# Altium PCB BalloonMBv1.PcbDoc (part 2 of 2)
Units mm, origin at the board's own origin, x right, y up, seen from the top; angles counter-clockwise.
Board outline 92.46 x 92.46 mm, 2 copper layers (Top Layer, Bottom Layer); 155 components, 138 nets, 578 pads, 218 vias.
Unrouted connection lines stored in the file: 3.
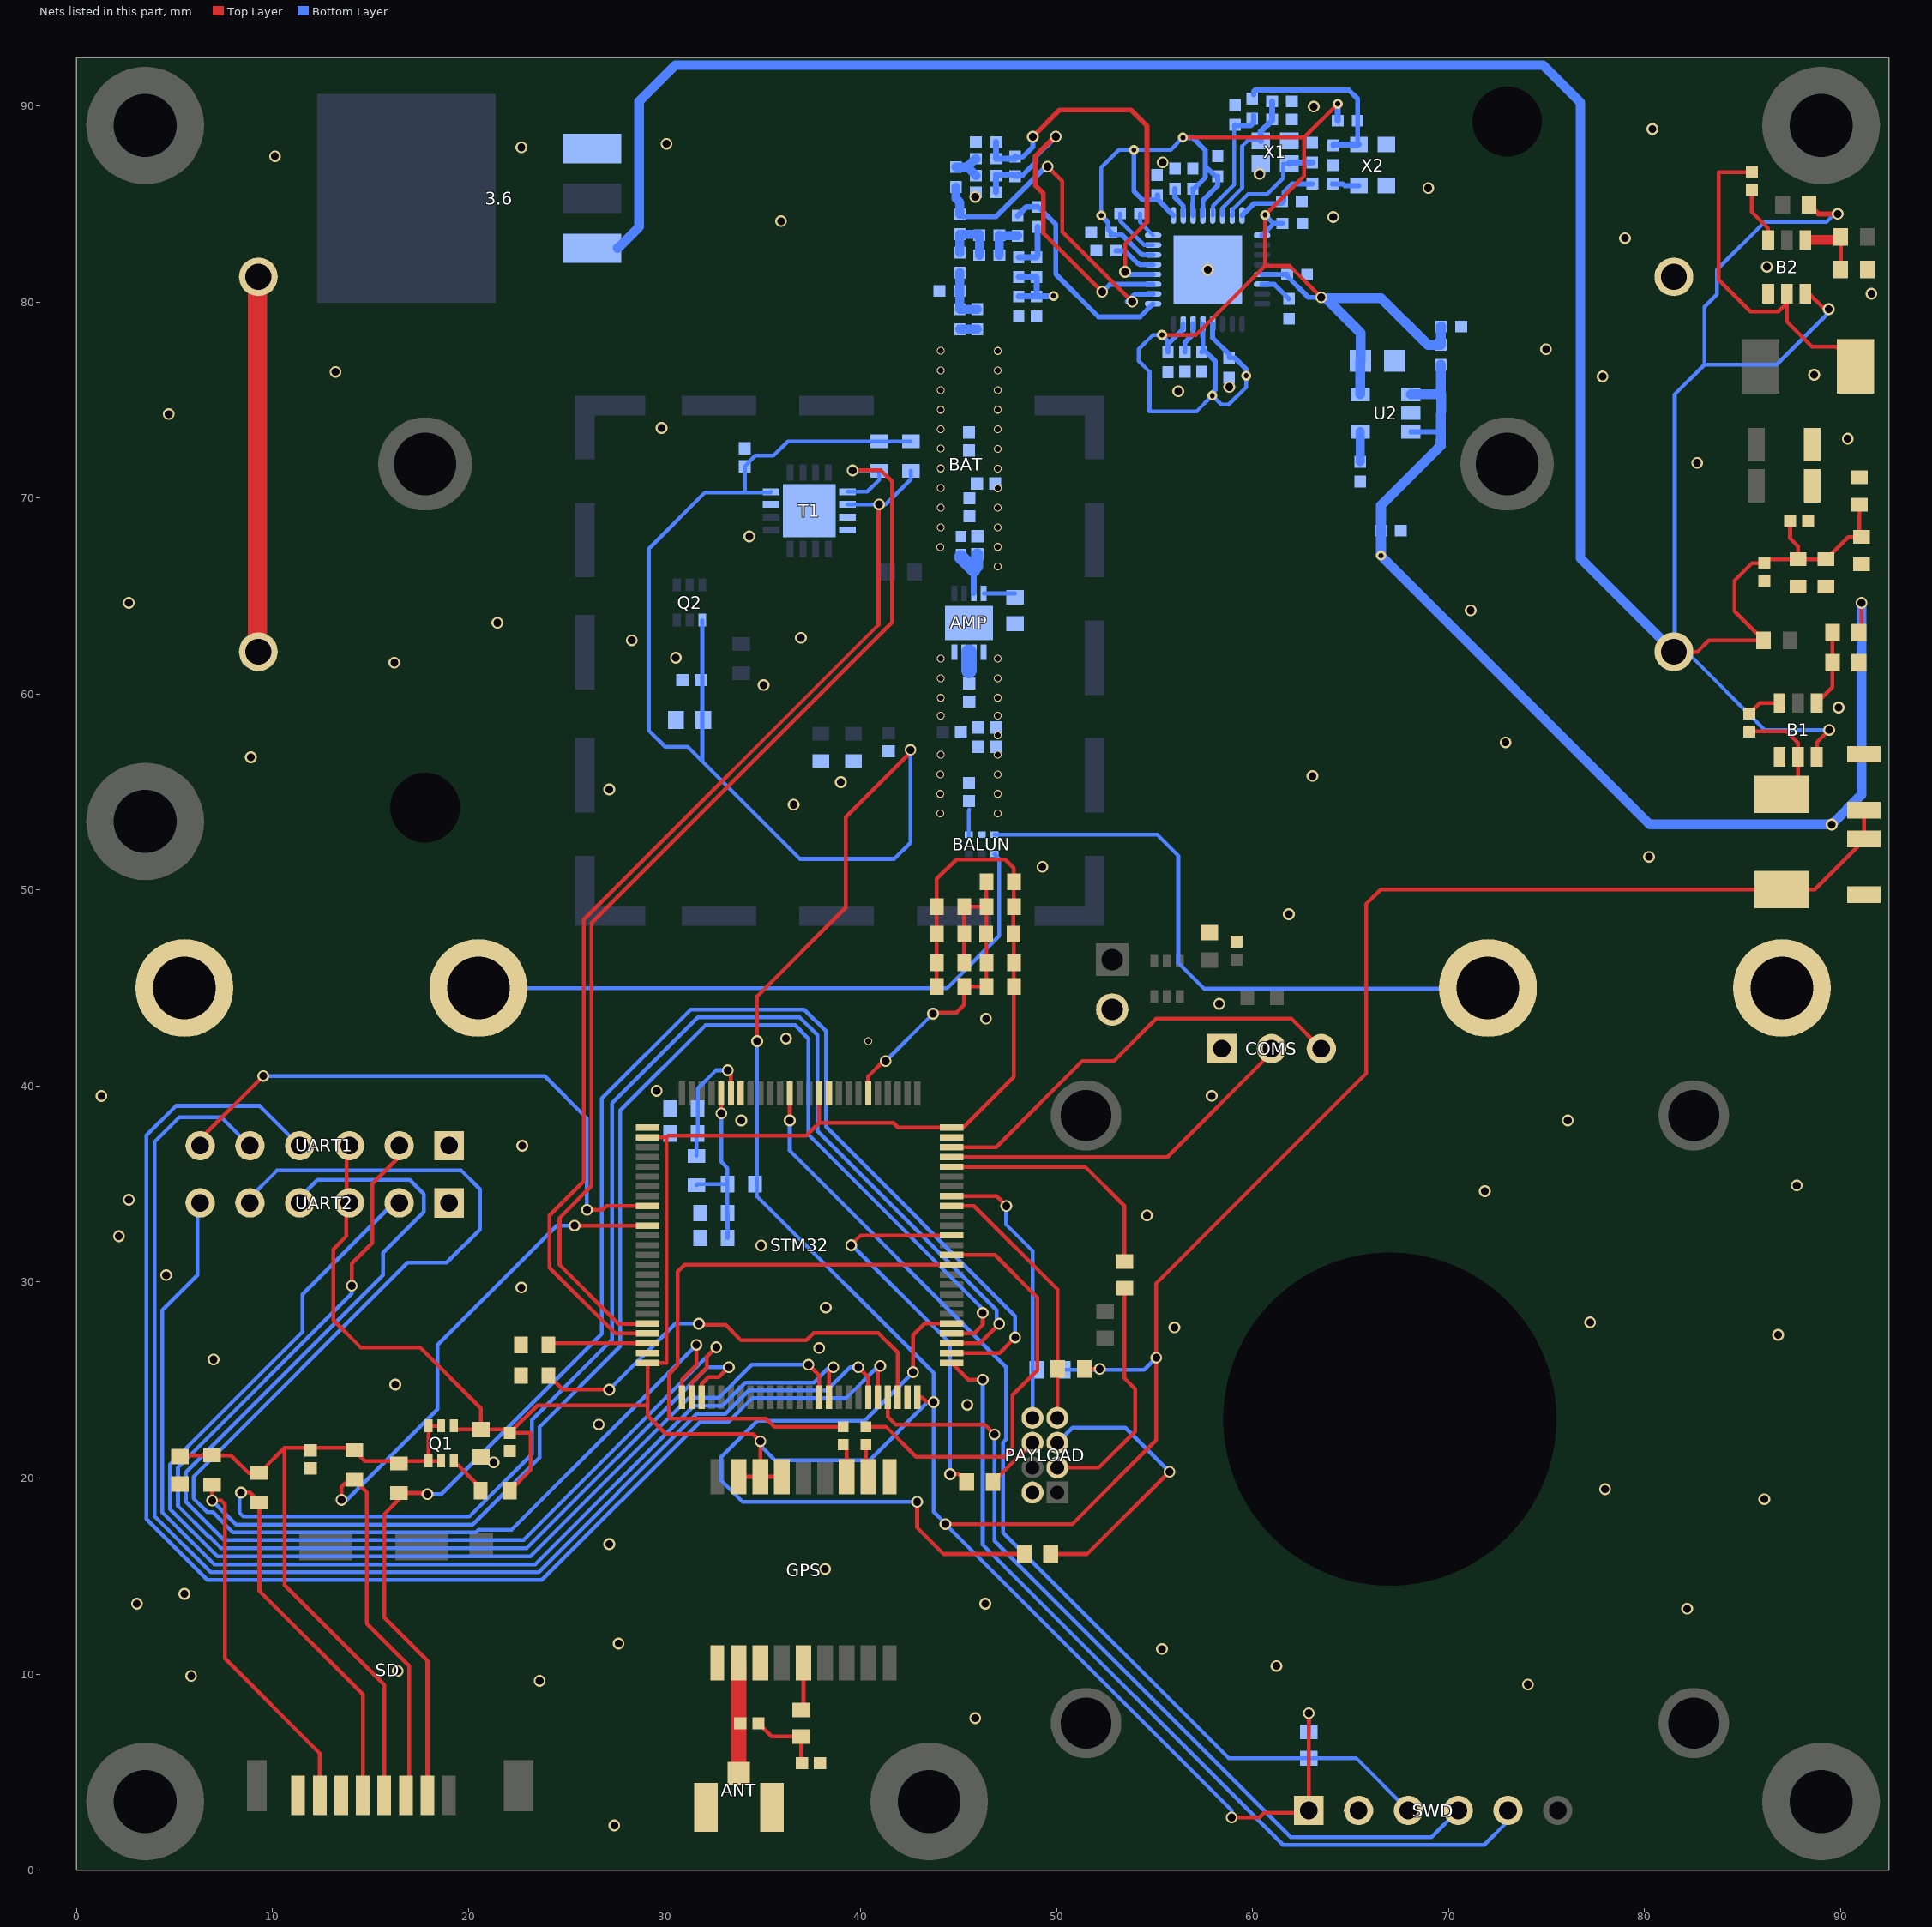
[diagram p2: the nets of this part, all layers, seen from the top]

## Via types
v1: diameter 0.6, hole 0.4, Top Layer to Bottom Layer, 157 vias
v2: diameter 0.4, hole 0.3, Top Layer to Bottom Layer, 44 vias
v3: diameter 0.508, hole 0.254, Top Layer to Bottom Layer, 17 vias

## Nets (pads, with @x,y where several pads share a name; then routed paths per layer and width w, separated by ;. In a path a pad name is that pad's centre, name@x,y a point inside that pad or via, vN(x,y) a via of type N, cw(c..) or ccw(c..) an arc to the next point about the centre after c; other vN are vias at no path point) (continued)
GND: 3.6.1 AMP.1 AMP.4 AMP.9 ANT.1 ANT.2 B1.1 B2.1 BALUN.2 BAT.4 C4.2 C5.2 C6.1 C7.2 C8.2 C10.2 C11.2 C11_1.1 C12.1 C12_1.2 C13.2 C14.2 C15.2 C16.1 C17.1 C18.1 C19.2@37.925,5.461 C20.2 C23.1 C24.1 C25.1 C27.1@37.973,56.577 C27.2@39.624,56.577 C28.1 C29.1 C39.2 C40.2 C41.2 C42.2 C43.2 C44.1 C45.1 C46.2 C47.2 C48.2 C51.1 C52.2 C53.2 C61.2 C121.1 C131.1 C151.1 C171.2 C172.2 C175.2 C201.2 C211.2 C221.2 C251.1 C261.1 C271.1 C281.1 C291.1 C301.1 C302.1 C311.1 C321.1 COMS.1 COMS_PWR.1 GPS.1 GPS.10 GPS.12 L192.1 pad.33 PAYLOAD.2 R2.2 R6.2 R12_1.1 R18.1 R141.2 SD.6 STM32.10 STM32.19 STM32.26 STM32.49 STM32.74 STM32.99 SWD.2 T1.3 T1.4 T1.11 T1.17 U2.2 UART1.1 UART2.1 X1.2 X1.4 X2.1 X2.2
  other v1: 27.432,2.286 45.847,7.747 74.041,9.471 23.622,9.652 5.842,9.906 16.379,10.16 61.214,10.414 55.372,11.278 27.65,11.557 82.169,13.335 3.076,13.589 46.355,13.589 5.5,14.097 38.186,15.367 27.178,16.637 86.106,18.923 77.978,19.431 21.274,20.802 26.641,22.73 45.436,23.735 16.256,24.765 6.985,26.051 37.886,26.636 86.809,27.305 56.007,27.686 77.216,27.94 38.221,28.702 22.691,29.718 4.572,30.353 34.925,31.869 2.159,32.337 54.61,33.401 2.667,34.195 71.839,34.632 87.757,34.925 22.733,36.957 33.909,38.24 76.073,38.24 1.27,39.487 57.912,39.497 29.591,39.751 36.195,42.418 46.395,43.434 58.293,44.196 61.849,48.768 49.276,51.181 80.221,51.689 36.579,54.356 27.178,55.127 38.989,55.499 63.052,55.815 8.89,56.769 72.898,57.531 89.885,59.309 35.052,60.452 16.212,61.595 30.574,61.849 28.321,62.738 36.957,62.865 21.463,63.627 71.12,64.262 2.667,64.643 34.322,68.037 82.677,71.79 90.354,73.025 29.845,73.567 4.699,74.278 56.203,75.438 58.801,75.659 77.851,76.2 88.646,76.286 13.208,76.429 74.966,77.584 91.567,80.413 57.71,81.643 86.233,81.788 78.994,83.255 35.941,84.119 64.111,84.328 45.847,85.359 68.961,85.808 60.352,86.527 55.41,87.122 10.12,87.434 22.691,87.884 30.099,88.066 80.391,88.813 63.119,89.959
  other v2: 40.388,42.291 44.069,53.9 46.99,53.9 44.069,54.9 46.99,54.9 44.069,55.9 46.99,55.9 44.079,56.9 46.99,56.9 46.99,57.9 44.079,58.9 46.99,58.9 44.079,59.8 46.99,59.8 44.079,60.8 46.99,60.8 44.079,61.8 46.99,61.8 47,66.5 44.069,67.486 47,67.5 44.079,68.5 47,68.5 44.079,69.502 47,69.5 44.079,70.503 47,70.5 44.079,71.505 47,71.5 47,72.5 44.079,72.517 44.079,73.5 47,73.5 44.079,74.5 47,74.5 44.079,75.496 47,75.5 44.079,76.5 47,76.5 44.079,77.502 47,77.5
GPIO_CAM1: PAYLOAD.6 R28.2 | length 2.8
  Top Layer w0.2: R28.2@46.755,19.791 48.765,21.801 PAYLOAD.6@48.768,21.801
GPIO_CAM1_PIN: R28.1 STM32.89 | length 20.2
  Top Layer w0.2: v1(39.518,31.88) 39.518,31.902 39.996,32.38 STM32.89@44.636,32.38 ; v1(44.563,20.2) 44.996,20.2 R28.1@45.405,19.791
  Bottom Layer w0.2: v1@39.566,32.007 39.566,31.871 44.563,26.873 v1(44.563,20.2)
GPIO_CAM2: PAYLOAD.5 R29.1 | length 14.8
  Top Layer w0.2: R29.1@49.697,16.129 51.562,16.129 v1(55.753,20.32)
  Bottom Layer w0.2: PAYLOAD.5@50.038,21.801 50.814,22.577 53.496,22.577 v1(55.753,20.32)
GPIO_CAM2_PIN: R29.2 STM32.80 | length 34.7
  Top Layer w0.2: v1(42.672,25.4) 42.672,27.292 43.26,27.88 STM32.80@44.636,27.88 ; v1(42.88,18.787) 42.88,17.469 44.219,16.129 R29.2@48.347,16.129
  Bottom Layer w0.2: v1(42.672,25.4) 40.195,22.923 34.741,22.923 32.92,21.103 32.893,21.103 32.893,19.871 33.977,18.787 v1(42.88,18.787)
ICQ_ADj: AMP.8 R18.2 | length 1.6
  Bottom Layer w0.2: AMP.8@46.277,65.127 R18.2@47.879,65.127
LST_RX_MODE: COMS.2 STM32.97 | length 18.7
  Top Layer w0.2: STM32.97@44.636,36.38 55.644,36.38 60.961,41.698 COMS.2@60.961,41.91
LST_TX_MODE: COMS.3 STM32.98 | length 22.2
  Top Layer w0.2: STM32.98@44.636,36.88 46.91,36.88 51.305,41.275 52.921,41.275 55.08,43.434 61.977,43.434 COMS.3@63.501,41.91
MID_BAT: BAT.1 BAT.2 | length 19.1
  Top Layer w1: BAT.2@9.231,62.175 BAT.1@9.231,81.305
MSL2: C19.1@45.527,72.421 C48.1 L5.2
MSL2.5: C21.2 L5.1 R17.2
MSL3: 
MSL4: 
MSL5: C22.2 C23.2 C24.2 L6.1 L7.1
MSL6: 
NewNet1: C175.1 C177.1 L173.1 L174.2 | length 2.8
  Bottom Layer w0.457: C175.1@45.04,80.555 C175.1@45.065,80.555 ; L174.2@45.065,79.615 L174.2@45.065,79.62 ; L173.1@45.065,81.495 C175.1@45.065,80.555 ; C177.1@45.952,79.62 L174.2@45.065,79.62 ; L174.2@45.065,79.62 C175.1@45.065,80.555
NewNet2: C191.2 L191.1 L192.2 pad.19 | length 17.6
  Top Layer w0.2: 49.324,83.518 v1(52.324,80.518)
  Top Layer w0.254: 49.324,83.518 49.324,85.536 48.915,85.944 48.915,87.444 49.324,87.852 v1@49.93,88.459
  Bottom Layer w0.254: L191.1@47.885,86.404 47.885,86.397 47.986,86.397 L191.1@48.037,86.448 ; 48.244,86.448 48.915,87.119 48.915,87.394 v1(49.956,88.434) ; v1(52.324,80.518) 52.338,80.518 52.721,80.901 54.429,80.901 pad.19@54.911,80.897
  Bottom Layer w0.305: L192.2@46.9,85.591 C191.2@46.9,86.448 46.907,86.499 L191.1@48.037,86.499 ; L191.1@48.037,86.448 48.244,86.448
NewNet3: C174.1 C176.1 L172.2 | length 2
  Bottom Layer w0.457: C176.1@47.072,82.384 L172.2@47.072,83.375 ; L172.2@47.072,83.4 L172.2@47.072,83.375 ; C174.1@48.012,83.375 L172.2@47.072,83.375
NewNet4: C176.2 C181.2 L172.1 L173.2 | length 3
  Bottom Layer w0.457: L173.2@45.065,82.511 C181.2@45.065,83.451 46.056,83.451 L172.1@46.056,83.4 C176.2@46.056,82.384
NewNet5: 
NewNet6: C311.2 pad.31 X1.1 | length 5.8
  Bottom Layer w0.203: pad.31@58.968,84.665 58.968,84.704 59.768,85.503 60.733,85.503 61.546,86.316 61.546,87.062 X1.1@61.864,87.062
  Bottom Layer w0.254: pad.31@58.953,84.407 pad.31@58.968,84.665
  Bottom Layer w0.305: X1.1@61.864,87.062 61.864,87.104 C311.2@63.044,87.104
NewNet7: 
NewNet8: 
NewNet9: C19.2@45.527,73.341 C177.2 L174.1 | length 0.9
  Bottom Layer w0.457: L174.1@45.068,78.602 45.065,78.604 C177.2@45.952,78.604
NewNet10: C41.1 U2.4 | length 1.5
  Bottom Layer w0.457: C41.1@65.483,71.843 U2.4@65.483,73.375
NewNet11: 
NewNet12: C181.1 L193.1 pad.18 | length 17.3
  Top Layer w0.2: v1(49.542,86.905) 50.287,86.16 50.287,83.571 v1(53.848,80.01)
  Bottom Layer w0.254: C181.1@45.065,84.518 45.243,84.34 46.894,84.34 v1@49.41,86.856 ; v1(53.848,80.01) 53.6,80.01 53.988,80.398 pad.18@54.911,80.398
  Bottom Layer w0.457: L193.1@44.862,85.864 44.862,85.28 45.065,85.076 45.065,84.518 C181.1@45.065,84.467
NewNet13: C261.2 pad.26 | length 1.6
  Bottom Layer w0.254: C261.2@56.034,85.783 56.034,85.326 56.458,84.902 pad.26@56.453,84.407
NewNet14: C322.1 X2.3 | length 1.4
  Bottom Layer w0.254: C322.1@64.068,86.022 64.609,86.022 64.704,85.927 X2.3@65.418,85.927
NewNet15: C322.2 pad.32 R12_1.2 | length 4.6
  Bottom Layer w0.254: pad.32@59.453,84.407 60.067,85.021 61.49,85.021 R12_1.2@61.49,85.072 ; R12_1.2@61.49,85.125 R12_1.2@61.49,85.072 ; C322.2@63.052,86.022 62.013,86.022 61.596,85.605 61.596,85.178 R12_1.2@61.49,85.072
NewNet16: C321.2 R321.1 R322.1 X2.4 | length 9.4
  Bottom Layer w0.254: R321.1@60.047,90.558 60.047,90.743 60.109,90.805 64.908,90.805 65.356,90.358 R322.1@65.356,89.237 X2.4@65.356,88.027
  Bottom Layer w0.305: C321.2@64.111,87.993 64.111,88.027 65.356,88.027 X2.4@65.418,88.027
NewNet17: C174.2 L171.1 pad.17 | length 11.2
  Bottom Layer w0.254: L171.1@49.028,84.848 49.071,84.848 49.955,83.964 49.955,81.418 52.133,79.239 54.254,79.239 pad.17@54.917,79.902
  Bottom Layer w0.3: C174.2@48.012,84.391 48.469,84.848 L171.1@49.028,84.848
NewNet18: C173.1 L171.2 R171.1 | length 2.5
  Bottom Layer w0.305: C173.1@48.063,82.282 R171.1@48.952,82.282 ; R171.1@48.977,82.282 R171.1@48.952,82.282 ; L171.2@49.028,83.832 49.028,82.359 R171.1@48.952,82.282
NewNet19: C301.2 C302.2 pad.30 X1.3 | length 7.3
  Bottom Layer w0.203: pad.30@58.453,84.407 58.458,84.437 58.458,84.804 59.463,85.808 59.463,87.942 59.793,88.272 X1.3@60.403,88.272
  Bottom Layer w0.305: X1.3@60.414,88.212 60.403,88.224 60.403,88.272 60.403,88.678 60.987,89.263 C301.2@60.987,89.313 C302.2@60.987,90.228
NewNet20: C291.2 pad.29 R321.2 | length 6.6
  Bottom Layer w0.203: pad.29@57.953,84.407 57.959,84.462 57.959,84.889 59.056,85.986 C291.2@59.056,88.983
  Bottom Layer w0.254: C291.2@59.107,89.034 59.056,88.983 59.895,88.983 60.047,89.136 R321.2@60.047,89.542
NewNet21: 
NewNet22: C171.1 C172.1 C173.2 R171.2 | length 3.7
  Bottom Layer w0.305: C171.1@48.063,80.276 C172.1@48.977,80.276 ; C173.2@48.063,81.266 R171.2@48.977,81.266 C172.1@48.977,80.276 ; v3(49.841,80.301) 49.815,80.276 C172.1@48.977,80.276
NewNet23: C191.1 L193.2 L201.1 | length 1.8
  Bottom Layer w0.457: L193.2@44.862,86.88 45.404,86.88 45.432,86.907 ; C191.1@45.884,86.448 45.432,86.907 ; L201.1@45.884,87.305 45.432,86.907
NewNet24: C201.1 L191.2 L201.2 pad.20 | length 19.7
  Top Layer w0.2: v1(53.493,81.531) 53.493,82.967 54.61,84.084
  Top Layer w0.254: v1(48.785,88.427) 50.147,89.789 53.799,89.789 54.61,88.978 54.61,84.084
  Bottom Layer w0.254: L191.2@47.885,87.388 48.266,87.388 48.785,87.907 v1(48.785,88.427) ; v1(53.493,81.531) 53.623,81.401 54.268,81.401 pad.20@54.911,81.397
  Bottom Layer w0.305: C201.1@46.9,88.156 L201.2@46.9,87.305 47.885,87.312 47.885,87.388 L191.2@47.885,87.42
NewNet25: pad.14 R141.1 | length 1.6
  Bottom Layer w0.254: R141.1@56.542,77.445 56.542,77.934 56.958,78.35 pad.14@56.953,78.87
NewNet26: C231.1 pad.23 | length 2.6
  Bottom Layer w0.203: C231.1@53.24,84.513 53.24,84.119 54.457,82.901 54.705,82.901 pad.23@54.911,82.897
NewNet27: C231.2 pad.24 | length 1.4
  Bottom Layer w0.203: C231.2@54.256,84.513 54.256,84.053 pad.24@54.911,83.397
NewNet28: C61.1 pad.6 | length 1.7
  Bottom Layer w0.254: pad.6@60.474,80.897 61.103,80.901 C61.1@61.85,80.154
NewNet29: C211.1 pad.21 | length 2.2
  Bottom Layer w0.254: C211.1@53.037,82.608 53.493,82.608 54.128,81.973 54.18,81.973 54.26,81.892 pad.21@54.911,81.897
NewNet30: 
NewNet31: 
NewNet32: 
NewNet33: 
NewNet34: 
NewNet35: 
NewNet36: 
NRST: R23.1 STM32.14 SWD.3 | length 53.6
  Top Layer w0.2: v1(36.386,38.24) STM32.14@36.386,39.63
  Bottom Layer w0.2: v1(36.386,38.24) 36.386,36.698 47.428,25.656 47.428,21.976 47.267,21.816 47.267,17.215 58.767,5.715 65.278,5.715 SWD.3@67.945,3.048
R_BIAS_GPS: C19.1@37.005,5.461 L3.2 R14.1 | length 3.6
  Top Layer w0.2: L3.2@34.956,7.318 35.457,6.818 R14.1@36.957,6.818 36.957,5.509 C19.1@37.005,5.461
RESET_GPS: 
RF_IN_AMP: AMP.7 C21.1 R17.1 | length 3.2
  Bottom Layer w0.2: R17.1@45.114,66.985 R17.1@45.114,67.137 ; 45.773,66.167 45.773,66.326 ; C21.1@45.942,67.137 C21.1@45.952,67.127
  Bottom Layer w0.3: AMP.7@45.773,65.139 45.773,66.167
  Bottom Layer w0.6: 45.773,66.326 45.952,66.505 C21.1@45.952,67.127
  Bottom Layer w0.7: R17.1@45.114,66.985 45.773,66.326
RF_IN_GPS: ANT.3 GPS.11 L3.1 | length 5.8
  Top Layer w0.2: ANT.3@33.786,5.155 ANT.3@34.036,4.905
  Top Layer w0.8: ANT.3@33.786,5.155 GPS.11@33.786,10.566
RF_OUT_AMP: AMP.2 AMP.3 L6.2 | length 0.9
  Bottom Layer w0.8: 45.525,61.197 45.525,62.122
RX_GPS: FB1.1 GPS.3 | length 1.7
  Top Layer w0.2: FB1.1@39.116,21.706 39.286,21.536 GPS.3@39.286,20.066
SAFEBOOT_GPS: 
SCL_CAM: PAYLOAD.7 R25.2 STM32.92 | length 13.7
  Top Layer w0.2: STM32.92@44.636,33.88 45.785,33.88 50.038,29.627 PAYLOAD.7@50.038,23.071
SCL_GPS: 
SCL_TEMP: R15.1 STM32.46 T1.1 | length 58.7
  Top Layer w0.2: STM32.46@29.136,27.88 29.128,27.872 27.65,27.872 24.638,30.884 24.638,33.274 26.27,34.906 26.27,48.323 41.596,63.65 41.596,70.851 41.04,71.407 v1(39.587,71.407)
  Bottom Layer w0.2: T1.1@39.329,70.32 40.336,70.32 40.94,70.925 R15.1@40.94,71.388 39.605,71.388 v1(39.587,71.407)
SD_CLK: R11.1 SD.5 STM32.78 | length 89.4
  Top Layer w0.2: v1(8.382,19.261) 8.831,19.261 R11.1@9.328,18.764 9.328,14.239 14.602,8.965 SD.5@14.602,3.81 ; STM32.78@44.636,26.88 46.08,26.88 v1(47.072,27.872)
  Bottom Layer w0.2: v1(8.382,19.261) 8.301,19.18 8.301,18.242 8.509,18.034 20.041,18.034 23.222,21.215 23.222,22.968 27.318,27.064 27.318,39.129 31.693,43.504 36.887,43.504 37.788,42.603 37.788,37.716 46.931,28.573 46.931,27.872 v1(47.072,27.872)
SD_CS: R20.1 SD.2 STM32.77 | length 79.4
  Top Layer w0.2: SD.2@17.902,3.81 17.902,10.664 17.907,10.669 15.702,12.874 15.702,18.161 16.452,18.911 R20.1@16.452,19.237 17.842,19.237 v1(17.902,19.177) ; STM32.77@44.636,26.38 47.087,26.38 v1(47.885,27.178)
  Bottom Layer w0.2: v1(17.902,19.177) 18.61,19.177 26.797,27.364 26.797,39.37 31.331,43.904 37.122,43.904 38.227,42.799 38.227,37.921 47.885,28.263 v1(47.885,27.178)
SD_DAT1: R13.1 SD.7 STM32.79 | length 88.2
  Top Layer w0.2: R13.1@6.915,19.653 v1(6.915,18.855) 7.379,18.855 7.565,18.669 7.565,10.795 12.402,5.958 SD.7@12.402,3.81 ; STM32.79@44.636,27.38 45.793,27.38 46.228,27.815 v1(46.228,28.427)
  Bottom Layer w0.2: v1(6.915,18.855) 8.136,17.634 20.207,17.634 23.622,21.049 23.622,22.606 27.741,26.725 27.741,38.75 32.096,43.104 36.652,43.104 37.338,42.418 37.338,37.523 46.228,28.633 v1(46.228,28.427)
SD_DAT2: SD.8
SD_DO: R12.1 SD.3 STM32.36 | length 42.3
  Top Layer w0.2: v1(13.512,18.886) 13.512,19.545 13.882,19.915 R12.1@14.162,19.915 14.812,19.265 14.812,12.575 16.979,10.409 16.979,3.987 SD.3@16.802,3.81 ; v1(25.4,32.88) STM32.36@29.136,32.88
  Bottom Layer w0.2: v1(13.512,18.886) 13.65,18.748 18.415,23.512 18.415,26.797 24.498,32.88 v1(25.4,32.88)
SD_EN: Q1.3 R10.1 | length 2.1
  Top Layer w0.2: Q1.3@19.247,20.873 20.605,19.515 R10.1@20.605,19.361
SD_VDD: C15.1 C16.2 Q1.1 Q1.2 Q1.5 Q1.6 R11.2 R12.2 R13.2 R20.2 SD.4 | length 36.9
  Top Layer w0.2: C16.2@5.272,21.092 5.333,21.153 R13.2@6.915,21.153 7.874,21.153 8.763,20.264 R11.2@9.328,20.264 10.608,21.544 ; SD.4@15.702,3.81 15.702,9.444 10.608,14.538 10.608,21.544 ; Q1.2@18.599,20.873 Q1.1@17.951,20.873 ; Q1.5@18.599,22.663 Q1.6@17.951,22.663 Q1.1@17.951,20.873 ; 10.608,21.544 14.162,21.544 R12.2@14.162,21.415 14.704,20.873 Q1.1@17.951,20.873
SDA_CAM: PAYLOAD.8 R24.1 STM32.93 | length 14.4
  Top Layer w0.2: STM32.93@44.636,34.38 46.932,34.38 v1(47.432,33.88)
  Bottom Layer w0.2: v1(47.432,33.88) 47.432,32.93 48.768,31.594 PAYLOAD.8@48.768,23.071
SDA_GPS: 
SDA_TEMP: R16.1 STM32.47 T1.2 | length 56.5
  Top Layer w0.2: STM32.47@29.136,27.38 27.484,27.38 24.13,30.734 24.13,33.401 25.87,35.141 25.87,48.489 40.911,63.53 v1@40.911,69.658
  Bottom Layer w0.2: T1.2@39.329,69.67 41.282,69.67 42.57,70.959 R16.1@42.57,71.388
  other v1: 40.94,69.671
SSRX+: 
SSRX–: 
SSTX+: 
SSTX-: 
SW_B1: B1.2 C9.2 L4.1 | length 5.7
  Top Layer w0.2: C9.2@85.344,58.087 87.238,58.087 87.825,57.5 B1.2@87.825,56.791 87.825,55.707 L4.1@86.995,54.876
SW_B2: B2.2 C3.1 L1.2 | length 17.4
  Top Layer w0.2: C3.1@85.471,86.628 83.769,86.628 83.769,81.133 85.4,79.502 86.816,79.502 B2.2@87.249,79.935 ; B2.2@87.249,80.413 B2.2@87.249,79.935 ; L1.2@90.762,76.708 89.746,77.724 88.519,77.724 87.249,78.994 B2.2@87.249,79.935
SWCLK: STM32.76 SWD.5 | length 44.6
  Top Layer w0.2: STM32.76@44.636,25.88 45.497,25.019 v1(46.228,25.019)
  Bottom Layer w0.2: v1(46.228,25.019) 46.228,16.607 61.546,1.289 71.81,1.289 73.025,2.503 SWD.5@73.025,3.048
SWDIO: STM32.72 SWD.4 | length 42.7
  Top Layer w0.2: STM32.72@41.386,24.13 41.386,23.13 41.783,22.733 46.32,22.733 v1(46.828,22.225)
  Bottom Layer w0.2: v1(46.828,22.225) 46.828,16.803 61.942,1.689 69.126,1.689 SWD.4@70.485,3.048
TIMEPULSE_GPS: 
TRIGGER: PAYLOAD.3 R27.1 | length 12.3
  Top Layer w0.2: PAYLOAD.3@50.038,20.531 52.156,20.531 53.999,22.375 53.999,24.548 53.452,25.095 R27.1@53.452,29.697
TRIGGER_PIN: R27.2 STM32.96 | length 12.5
  Top Layer w0.2: STM32.96@44.636,35.88 51.454,35.88 53.452,33.882 R27.2@53.452,31.047
TX+: BALUN.3 pad.8@72,45 pad.8@87,45 | length 31.6
  Bottom Layer w0.2: BALUN.3@46.829,52.819 55.131,52.819 56.203,51.747 56.203,46.286 57.531,44.958 pad.8@72,44.958
TX-: BALUN.4 pad.8@5.5,45 pad.8@20.5,45 | length 32
  Bottom Layer w0.2: pad.8@20.5,45 44.41,45 47.072,47.662 47.072,51.587 BALUN.4@46.829,51.829 BALUN.4@46.871,51.871
TX_GPS: FB2.1 GPS.2 | length 1.7
  Top Layer w0.2: FB2.1@40.259,21.706 40.259,20.193 GPS.2@40.386,20.066
TX_U: BALUN.1 C22.1 | length 1.4
  Bottom Layer w0.2: BALUN.1@45.509,52.725 45.509,54.067 45.545,54.102
UART1_CTS: STM32.34 UART1.6 | length 30.1
  Top Layer w0.2: UART1.6@6.3,36.957 6.3,37.288 v1(9.525,40.513) ; v1(26.035,33.685) 26.827,33.685 27.022,33.88 STM32.34@29.136,33.88
  Bottom Layer w0.2: v1@9.587,40.513 23.876,40.513 26.035,38.354 v1(26.035,33.685)
UART1_RTS: STM32.53 UART1.2 | length 58.3
  Top Layer w0.2: v1(14.043,29.81) 14.043,30.945 15.095,31.997 15.095,35.015 16.318,36.238 UART1.2@16.318,37.084 ; STM32.53@31.886,24.13 31.886,24.8 32.232,25.146 32.766,25.146 v1(33.274,25.654)
  Bottom Layer w0.2: v1(14.043,29.81) 14.043,29.41 5.169,20.536 5.169,18.58 6.731,17.018 6.772,17.018 7.356,16.434 22.969,16.434 32.189,25.654 v1(33.274,25.654)
UART1_RX: STM32.70 UART1.5 | length 68
  Top Layer w0.2: v1(39.878,25.654) 40.386,25.146 STM32.70@40.386,24.13
  Bottom Layer w0.2: UART1.5@8.698,37.084 7.365,38.417 5.255,38.417 3.969,37.131 3.969,18.071 6.838,15.202 23.571,15.202 31.635,23.266 33.09,23.266 34.3,24.475 38.278,24.475 39.457,25.654 v1(39.878,25.654)
UART1_TX: STM32.71 UART1.4 | length 73.5
  Top Layer w0.2: STM32.71@40.886,24.13 40.886,25.608 v1(41,25.722)
  Bottom Layer w0.2: UART1.4@11.238,37.084 9.333,38.989 5.065,38.989 3.569,37.493 3.569,17.906 6.673,14.802 23.737,14.802 31.795,22.86 33.25,22.86 34.462,24.071 39.252,24.071 40.903,25.722 v1(41,25.722)
UART2_CTS: STM32.66 UART2.6 | length 57.8
  Top Layer w0.2: STM32.66@38.386,24.13 38.386,25.432 v1(38.608,25.654)
  Bottom Layer w0.2: UART2.6@6.158,34.163 6.158,30.353 4.369,28.564 4.369,18.249 5.969,16.649 5.969,16.637 5.981,16.637 7.016,15.602 23.406,15.602 31.496,23.692 32.932,23.692 34.115,24.875 37.614,24.875 38.392,25.654 v1(38.608,25.654)
UART2_RTS: STM32.65 UART2.2 | length 60
  Top Layer w0.2: v1(37.338,25.781) 37.886,25.233 STM32.65@37.886,24.13
  Bottom Layer w0.2: UART2.2@16.318,34.163 11.528,29.374 11.528,27.461 4.769,20.702 4.769,18.414 7.181,16.002 23.151,16.002 31.241,24.092 32.766,24.092 34.455,25.781 v1(37.338,25.781)
UART2_RX: STM32.51 UART2.5 | length 69.2
  Top Layer w0.2: STM32.51@30.886,24.13 30.886,25.023 31.623,25.76 v1(31.623,26.797)
  Bottom Layer w0.2: UART2.5@8.698,34.163 10.222,35.687 19.627,35.687 20.574,34.74 20.574,32.685 18.877,30.988 16.891,30.988 5.969,20.066 5.969,18.953 6.666,18.255 6.949,18.255 7.971,17.234 20.372,17.234 20.503,17.365 22.191,17.365 27.905,23.079 v1(31.623,26.797)
UART2_TX: STM32.52 UART2.4 | length 63
  Top Layer w0.2: STM32.52@31.386,24.13 31.386,24.866 32.158,25.638 32.158,26.189 v1(32.639,26.67)
  Bottom Layer w0.2: UART2.4@11.238,34.163 12.288,35.213 16.988,35.213 17.707,34.494 17.707,33.566 15.631,31.49 15.631,30.362 5.569,20.301 5.569,18.787 7.522,16.834 22.803,16.834 v1(32.639,26.67) v1@32.639,26.667
USART1_RX: FB1.2 STM32.86 | length 30.8
  Top Layer w0.2: FB1.2@39.116,22.606 35.611,22.606 35.178,23.039 30.301,23.039 30.223,23.117 30.223,25.311 30.667,25.755 30.667,30.529 31.018,30.88 STM32.86@44.636,30.88
USART1_TX: FB2.2 STM32.87 | length 21.8
  Top Layer w0.2: FB2.2@40.259,22.606 41.304,22.606 42.818,21.092 47.338,21.092 47.752,21.506 47.752,24.236 49.022,25.506 49.022,29.21 46.852,31.38 STM32.87@44.636,31.38
V_BCKUP_GPS: 
VBAT: C30.1 C31.1 C32.1 C33.1 C34.2 C35.2 C36.2 C37.2 C38.1 STM32.6 | length 18.7
  Top Layer w0.2: STM32.6@40.386,39.63 40.386,40.497 41.164,41.275 v1(41.275,41.275) ; v1(43.688,43.688) 43.74,43.74 44.883,43.74 45.277,44.134 C37.2@45.277,45.085 C30.1@46.417,45.085 C31.1@46.417,46.287 46.417,47.73 C32.1@46.395,47.752 46.417,47.774 C33.1@46.417,49.149 ; C36.2@45.277,46.287 C35.2@45.277,47.752 C34.2@45.277,49.149 C33.1@46.417,49.149 ; C38.1@46.417,50.419 C33.1@46.417,49.149
  Bottom Layer w0.2: v1(41.275,41.275) v1(43.688,43.688)
VBST_B1: B1.6 C9.1 | length 1.8
  Top Layer w0.2: C9.1@85.344,59.007 85.878,59.541 B1.6@86.875,59.541
VBST_B2: B2.6 C3.2 | length 2.9
  Top Layer w0.2: C3.2@85.471,85.707 85.471,84.58 86.299,83.752 B2.6@86.299,83.163
VBUS_USB: 
VCAP1: C28.2 STM32.48 | length 5.2
  Top Layer w0.2: C28.2@23.994,26.797 24.077,26.88 STM32.48@29.136,26.88
VCAP2: C29.2 STM32.73 | length 22.5
  Top Layer w0.2: C29.2@24.13,25.183 24.802,24.511 v1(27.178,24.511) ; v1@31.818,27.813 33.11,27.813 33.892,27.03 37.231,27.03 37.597,27.397 40.908,27.397 41.886,26.419 STM32.73@41.886,24.13
  Bottom Layer w0.2: v1(27.178,24.511) 30.547,27.88 v1(31.75,27.88)
VCC: C12_1.1 C13.1 C14.1 C17.2 C18.2 C20.1 C30.2 C31.2 C32.2 C33.2 C34.1 C35.1 C36.1 C37.1 C38.2 C44.2 C45.2 GPS.6 GPS.7 GPS.8 L1_1.1 L4.2 L8.1 Q1.4 Q2.4 R5.2 R10.2 R15.2 R16.2 R23.2 R24.2 R25.1 STM32.11 STM32.27 STM32.50 STM32.75 STM32.100 SWD.1 T1.12 U2.1 U2.3 UART1.3 UART2.3 | length 381.3
  Top Layer w0.2: UART1.3@13.778,37.084 13.778,34.163 13.761,34.146 13.761,32.337 13.1,31.676 13.1,28.057 14.488,26.67 17.513,26.67 20.631,23.552 C18.2@20.631,22.474 ; Q1.4@19.247,22.663 19.436,22.474 C18.2@20.631,22.474 ; R10.2@22.105,19.361 23.16,20.416 23.16,22.304 C17.2@22.098,22.304 ; STM32.27@29.136,37.38 30.099,37.38 ; GPS.8@33.786,20.066 GPS.7@34.886,20.066 ; v1(34.72,42.291) 34.72,44.575 39.243,49.098 39.243,53.721 42.545,57.023 v1(42.545,57.15) ; GPS.6@35.986,20.066 GPS.7@34.886,20.066 ; STM32.11@37.886,39.63 37.886,38.128 ; STM32.75@42.886,24.13 43.119,24.13 43.373,23.876 v1(43.719,23.876) ; C37.1@43.877,45.085 C36.1@43.877,46.287 C35.1@43.877,47.752 C34.1@43.877,49.149 43.883,49.155 43.883,50.563 44.882,51.562 47.371,51.562 47.817,51.116 C38.2@47.817,50.419 C33.2@47.817,49.149 47.795,49.127 C32.2@47.795,47.752 47.817,47.73 C31.2@47.817,46.287 C30.2@47.817,45.085 47.817,40.47 45.227,37.88 STM32.100@44.636,37.88 41.914,37.88 41.666,38.128 37.886,38.128 ; v1(44.323,17.653) 50.8,17.653 55.08,21.933 v1(55.08,26.141) 55.08,29.934 65.786,40.64 65.786,49.276 66.536,50.026 L4.2@86.995,50.026 88.674,50.026 C14.1@91.254,52.606 ; R25.1@51.409,25.565 v1(52.197,25.565) ; v1(58.928,2.689) 60.346,2.689 60.578,2.921 SWD.1@62.294,2.921 ; SWD.1@62.865,3.048 v1(62.865,8.001) v1@62.865,8.128 ; v1(89.535,53.34) v1@89.537,53.339 ; R5.2@90.929,63.119 91.059,63.249 v1(91.059,64.643) ; C14.1@91.186,52.603 C13.1@91.186,54.074 ; C18.2@20.631,22.474 21.928,22.474 C17.2@22.098,22.304 ; C17.2@22.098,22.304 23.511,23.717 29.136,23.717 ; 29.136,23.717 29.136,23.188 30.078,22.246 34.515,22.246 v1(34.886,21.874) GPS.7@34.886,20.066 ; 29.136,23.717 STM32.50@29.136,25.88 30.099,25.88 30.099,37.38 ; 30.099,37.38 30.184,37.465 37.223,37.465 37.886,38.128
  Bottom Layer w0.2: Q2.4@31.922,63.769 31.922,56.565 ; v1(34.72,42.291) 34.72,34.368 43.719,25.369 v1(43.719,23.876) 43.425,23.876 40.463,20.914 35.636,20.914 34.886,21.664 v1(34.886,21.874) ; T1.12@35.429,70.32 35.395,70.287 34.09,70.287 ; v1(42.545,57.15) 42.545,52.415 41.716,51.587 36.9,51.587 31.922,56.565 ; R16.2@42.57,72.889 R15.2@40.94,72.889 36.288,72.889 35.551,72.152 34.627,72.152 C20.1@34.09,71.615 34.09,70.287 ; v1@43.719,23.739 43.719,18.288 v1@44.323,17.684 ; v1(44.323,17.653) 58.928,3.048 v1(58.928,2.689) ; R24.2@50.332,25.529 54.467,25.529 v1(55.08,26.141) ; R23.2@62.865,7.059 v1(62.865,8.001) ; 31.922,56.565 31.178,57.309 30.024,57.309 29.203,58.129 29.203,67.418 32.072,70.287 34.09,70.287
  Bottom Layer w0.254: U2.3@68.073,73.375 69.599,73.375 69.6,73.413
  Bottom Layer w0.5: v3(66.549,67.056) 80.265,53.34 v1(89.535,53.34) 91.059,54.864 v1(91.059,64.643)
  Bottom Layer w0.508: v3(66.549,67.056) 66.549,69.616 69.59,72.657 69.599,73.375 69.6,73.413 69.623,75.28 69.597,75.28 ; U2.1@68.073,75.28 69.597,75.28 ; L1_1.1@69.597,76.791 69.597,75.28
VCC_CC: C11_1.2 C51.2 C52.1 C53.1 C121.2 C131.2 C151.2 C221.1 C251.2 C271.2 C281.2 L1_1.2 pad.1 pad.5 pad.12 pad.13 pad.15 pad.22 pad.25 pad.27 pad.28 R322.2 U2.5 | length 91.7
  Top Layer w0.2: v3(55.373,78.315) 57.106,78.315 60.631,81.84 ; v3(56.438,88.385) 62.624,88.385 ; v1(63.5,80.229) 61.889,81.84 60.631,81.84 ; v3(64.34,90.101) 62.624,88.385 ; 60.631,81.84 v3(60.631,84.437) 62.624,86.429 62.624,88.385
  Bottom Layer w0.2: v3(52.275,84.411) 52.275,86.857 53.176,87.759 v3(53.939,87.759) 55.812,87.759 v3(56.438,88.385) ; v3(55.373,78.315) 55.348,78.315 54.91,78.315 54.18,77.584 54.18,76.994 54.737,76.437 54.737,74.422 57.144,74.422 v3(57.939,75.216) 57.948,75.216 58.405,74.759 58.776,74.759 59.666,75.648 v3(59.666,76.232)
  Bottom Layer w0.254: v3(52.275,84.411) 52.277,84.411 52.63,84.059 52.63,83.7 C221.1@52.783,83.548 52.783,83.421 53.327,83.421 54.317,82.43 54.369,82.43 54.398,82.401 54.437,82.401 pad.22@54.911,82.397 ; v3(53.939,87.759) 53.939,85.642 54.366,85.215 55.164,85.215 pad.25@55.953,84.407 ; C251.2@55.119,85.453 55.164,85.453 C251.2@55.164,85.326 ; v3@55.348,78.315 55.678,77.985 55.678,77.847 ; C151.2@55.678,77.439 55.678,77.847 ; v3(56.438,88.385) 56.937,88.385 57.583,87.739 57.583,86.926 ; pad.15@56.453,78.87 56.458,78.627 55.678,77.847 ; pad.27@56.953,84.407 56.953,84.412 56.958,85.773 C271.2@56.948,85.783 57.024,85.783 57.583,86.342 57.583,86.926 ; C131.2@57.405,77.445 C131.2@57.456,77.502 ; pad.13@57.453,78.87 C131.2@57.456,77.502 ; pad.28@57.453,84.407 57.453,84.412 57.458,85.175 58.218,85.935 C281.2@58.218,86.418 58.091,86.418 57.583,86.926 ; v3(57.939,75.216) 57.939,75.369 58.091,75.521 58.091,76.969 57.558,77.502 C131.2@57.456,77.502 ; pad.12@57.953,78.87 57.958,78.169 58.802,77.325 C121.2@58.802,77.147 59.082,77.147 59.666,76.563 v3(59.666,76.232) ; pad.5@60.474,81.397 60.479,81.397 C51.2@61.667,81.401 ; pad.1@60.474,83.397 60.479,83.402 61.082,84.005 ; v3(60.631,84.437) 61.063,84.005 61.082,84.005 ; C11_1.2@61.52,84.005 61.082,84.005 ; C51.2@61.759,81.404 61.756,81.401 C51.2@61.749,81.401 ; v1@63.755,80.229 v1(63.5,80.229) 62.839,80.229 C51.2@61.667,81.401 ; C51.2@61.667,81.401 C51.2@61.749,81.401 ; C51.2@61.667,81.401 C51.2@61.749,81.401
  Bottom Layer w0.305: R322.2@64.34,89.237 v3(64.34,90.101)
  Bottom Layer w0.508: v1@63.755,80.169 65.508,78.417 65.508,76.994 C52.1@65.498,76.994 65.483,76.994 U2.5@65.483,75.28 ; 63.806,80.195 66.549,80.195 68.937,77.807 L1_1.2@69.597,77.807 69.597,78.747 C53.1@69.623,78.747
VCC_GPS: 
VCC_IO_GPS: 
VCC_REF_GPS: GPS.14 R14.2 | length 2.5
  Top Layer w0.2: R14.2@36.957,8.168 37.086,8.297 GPS.14@37.086,10.566
VDDA: C39.1 C40.1 L8.2 R21.1 STM32.21 | length 9.1
  Top Layer w0.2: STM32.21@32.886,39.63 32.893,39.623 v1(32.893,38.608)
  Bottom Layer w0.2: R21.1@31.623,34.937 31.68,34.994 L8.2@33.205,34.994 ; v1(32.893,38.608) 32.893,36.126 33.205,35.814 L8.2@33.205,34.994 ; C40.1@33.212,32.25 C39.1@33.212,33.52 33.205,33.526 L8.2@33.205,34.994
VFB_B1: B1.4 R5.1 R6.1 | length 3.9
  Top Layer w0.2: B1.4@88.775,59.541 89.579,60.345 R6.1@89.579,61.595 R5.1@89.579,63.119
VFB_B2: B2.4 R1.1 R2.1 | length 3.5
  Top Layer w0.2: R1.1@89.854,83.163 R1.1@90.003,83.312 R2.1@90.003,81.661
  Top Layer w0.5: B2.4@88.199,83.163 R1.1@89.854,83.163
VIN_B1: 3.6.3 B1.3 B2.3 BAT.3 C6.2 C7.1 C8.1 C10.1 C11.1 C12.2 R3.2 R4.1 | length 157.2
  Top Layer w0.2: BAT.3@81.491,62.15 82.691,62.15 83.279,62.738 R4.1@86.066,62.738 84.582,64.222 84.582,65.786 85.471,66.675 C6.2@86.106,66.675 86.298,66.867 C7.1@87.825,66.867 ; C12.2@87.416,68.834 87.416,67.945 87.825,67.536 C7.1@87.825,66.867 ; B2.3@88.199,80.413 88.391,80.413 89.175,79.629 v1(89.39,79.629) ; B1.3@88.775,56.791 88.775,57.533 v1(89.408,58.166) ; C11.1@90.953,69.658 90.953,68.116 C10.1@91.059,68.01 90.38,68.01 C8.1@89.237,66.867 C7.1@87.825,66.867
  Top Layer w0.254: R3.2@88.386,84.963 88.857,84.492 v1(89.848,84.492)
  Bottom Layer w0.2: v1(89.39,79.629) 89.39,79.47 86.724,76.804 83.058,76.804 ; v1(89.408,58.166) 86.127,58.166 82.143,62.15 BAT.3@81.491,62.15 81.534,62.193 81.534,75.28 83.058,76.804 ; v1(89.848,84.492) 89.848,84.657 89.281,84.09 86.137,84.09 83.693,81.647 83.693,80.391 83.058,79.756 83.058,76.804
  Bottom Layer w0.5: 3.6.3@27.61,82.74 28.702,83.832 28.702,90.233 30.544,92.075 74.818,92.075 76.72,90.173 76.72,66.921 BAT.3@81.491,62.15
VIN_B2: 
VREF+: C42.1 C43.1 R21.2 STM32.20 | length 6.6
  Top Layer w0.2: v1(33.227,40.804) 33.386,40.645 STM32.20@33.386,39.63
  Bottom Layer w0.2: R21.2@31.623,36.437 31.623,37.519 C42.1@31.688,37.584 C43.1@31.688,38.854 31.688,39.868 32.624,40.804 v1(33.227,40.804)
pads on no net: BALUN.5 BALUN.6 BAT.5 BAT.6 BAT.MH1 BAT.MH2 CAM.4 CAM.5 Designator196.35 GPS.4 GPS.5 GPS.9 GPS.13 GPS.15 GPS.16 GPS.17 GPS.18 RFSHIEDL.1 RFSHIEDL.2 RFSHIEDL.3 RFSHIEDL.4 RFSHIEDL.5 RFSHIEDL.6 RFSHIEDL.7 RFSHIEDL.8 RFSHIEDL.9 RFSHIEDL.10 RFSHIEDL.11 RFSHIEDL.12 RFSHIEDL.13 RFSHIEDL.14 RFSHIEDL.15 RFSHIEDL.16 RFSHIEDL.17 RFSHIEDL.18 RFSHIEDL.19 RFSHIEDL.20 SD.1 SD.9 SD.10 SD.11 SD.12 SD.13 STM32.2 STM32.3 STM32.4 STM32.5 STM32.7 STM32.8 STM32.9 STM32.12 STM32.13 STM32.15 STM32.16 STM32.17 STM32.18 STM32.32 STM32.33 STM32.35 STM32.37 STM32.38 STM32.39 STM32.40 STM32.41 STM32.42 STM32.43 STM32.44 STM32.45 STM32.54 STM32.55 STM32.56 STM32.57 STM32.58 STM32.59 STM32.60 STM32.61 STM32.62 STM32.63 STM32.64 STM32.67 STM32.68 STM32.69 STM32.81 STM32.82 STM32.83 STM32.84 STM32.85 STM32.88 STM32.91 STM32.94 SWD.6 T1.5 T1.6 T1.7 T1.8 T1.9 T1.10 T1.13 T1.14 T1.15 T1.16

## Polygon pours and split planes (outlines as drawn)
GND on Top Layer "GND" (solid, pour order 6): 0,0 92.456,0 92.456,92.456 0,92.456
GND on Bottom Layer "GND" (solid, pour order 7): 0,0 92.456,0 92.456,92.456 0,92.456

## Other copper
Top Layer:
  rectangle net VCC: 88.937,52.07 92.075,54.61
  pour cut-out: 67.818,42 67.818,48 92.456,48 92.456,42
  pour cut-out: 25.019,48 25.019,42 0,42 0,48
Bottom Layer:
  rectangle net RF_IN_AMP: 44.736,66.85 46.336,67.408
  rectangle net TX_U: 44.736,53.213 46.336,54.913
  rectangle net MSL5: 44.73,55.144 46.33,59.944
  rectangle net RF_OUT_AMP: 44.73,60.198 46.33,61.468
  rectangle net MSL2.5: 44.745,67.648 46.345,69.424
  rectangle net MSL2: 44.745,69.671 46.345,72.771
  rectangle net NewNet9: 44.736,73.025 46.336,78.925
  pour cut-out: 67.818,42 67.818,48 92.456,48 92.456,42
  pour cut-out: 25.019,48 25.019,42 0,42 0,48
  pour cut-out: 49.276,87.55 48.96,87.866 43.434,87.866 43.18,87.612 43.18,83.962 44.52,82.622 44.52,77.925 47.625,77.925 47.625,79.559 47.716,79.649 49.276,79.649

## Silkscreen, mask and mechanical layers (free items; w line width, h text height)
Top Overlay:
  text "NRST" at 66.802,4.826 h0.7
  text "SWCLK" at 71.882,4.572 h0.7
  text "VCC" at 61.849,4.492 h0.7
  text "GND" at 64.516,0.762 h0.7
  text "SWDIO" at 69.529,0.508 h0.7
Bottom Overlay:
  drawing of 1870 lines, arcs and shapes, not listed